# Altium PCB Rectifire_PFC_Solar.PcbDoc
Units mil, origin at the board's own origin, x right, y up, seen from the top; angles counter-clockwise.
Board outline 6000 x 4000 mil, 2 copper layers (Top Layer, Bottom Layer); 93 components, 39 nets, 240 pads, 0 vias.
Unrouted connection lines stored in the file: 187.
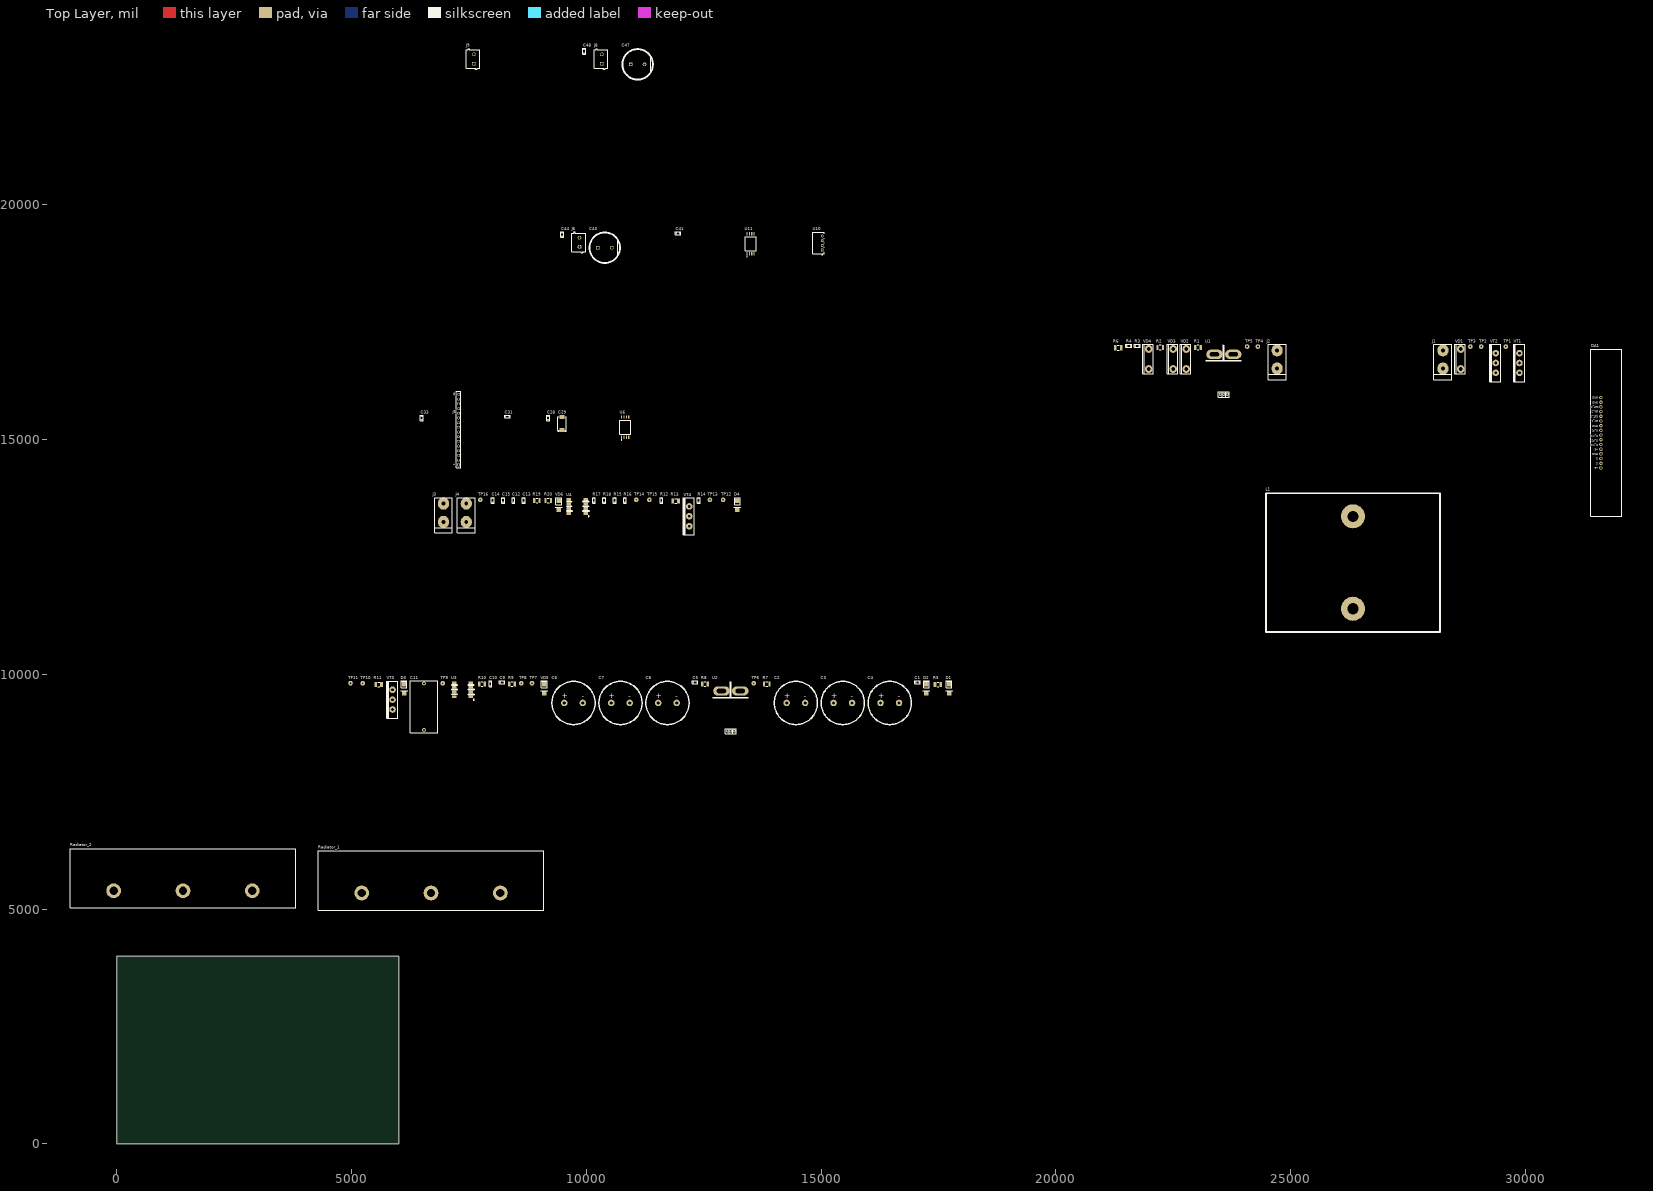
[diagram p0: Top Layer view]
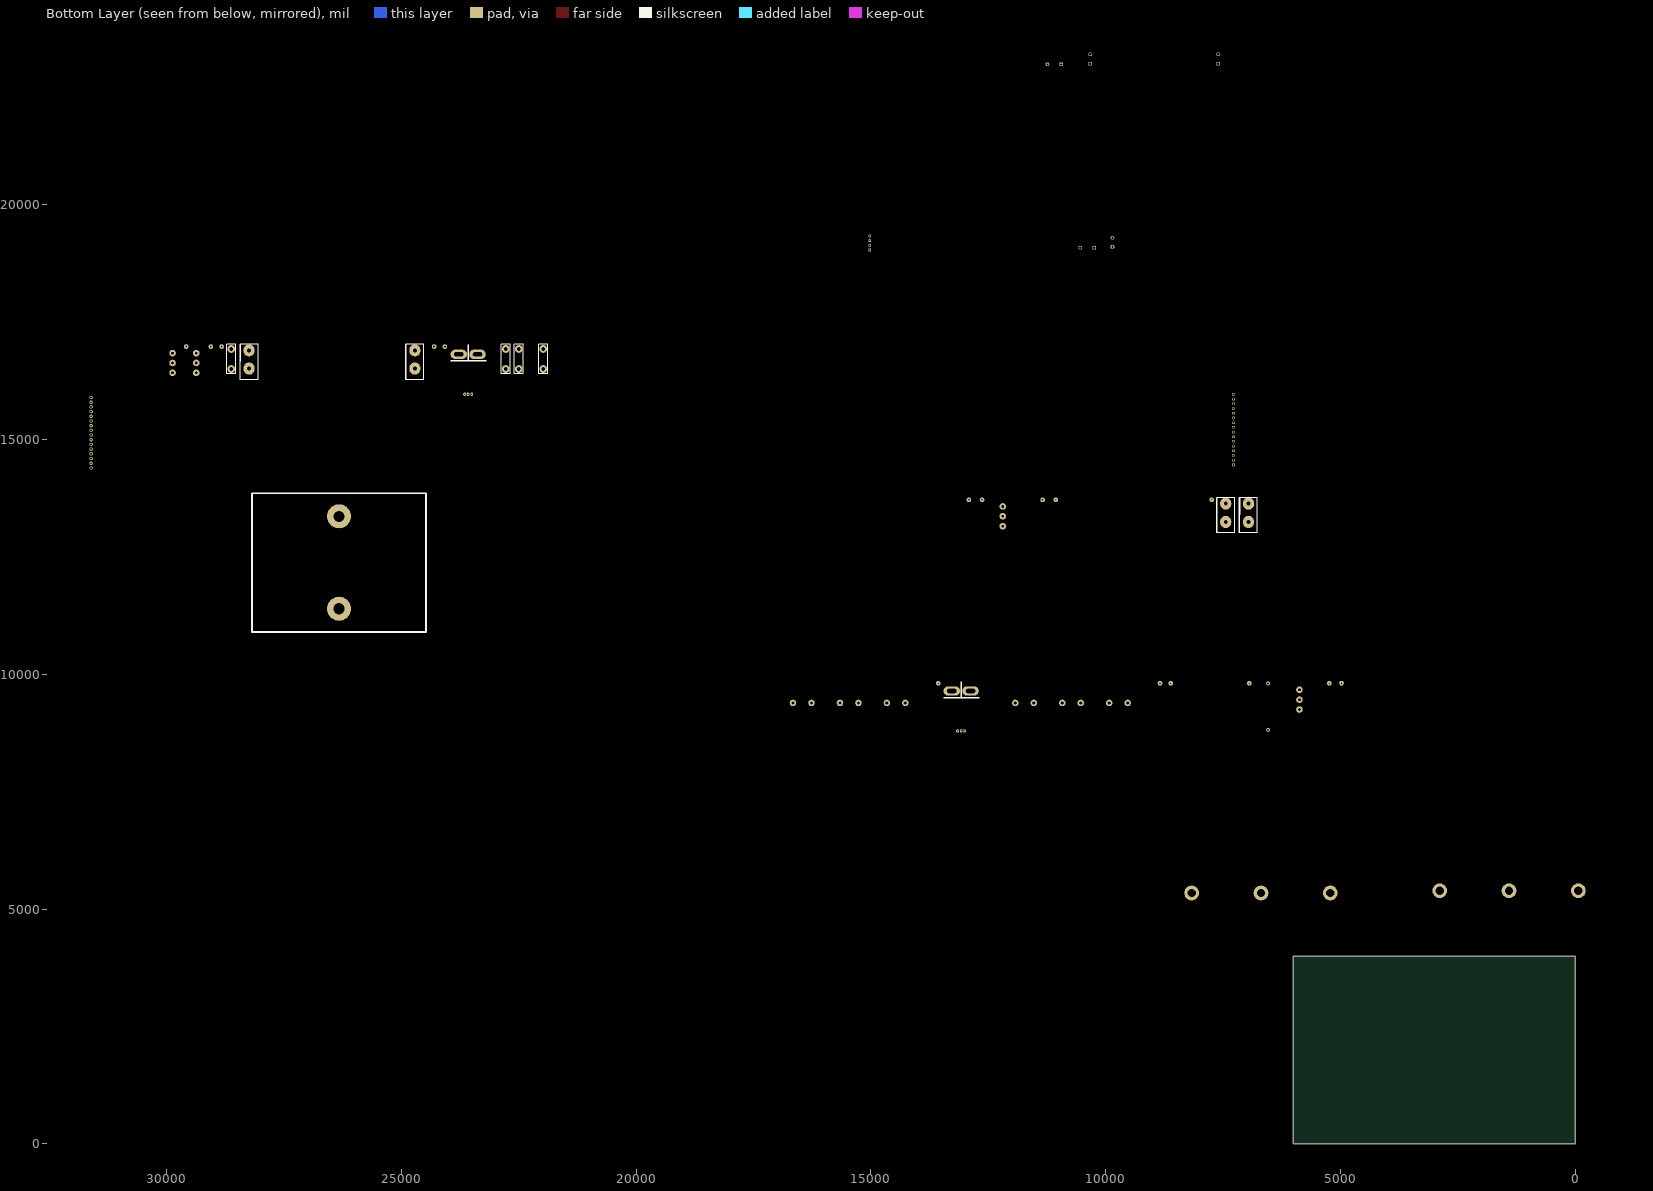
[diagram p1: Bottom Layer view, seen from below]

## Layer stack, top to bottom
Top Solder: solder mask 0.4, Solder Resist, Dk 3.5
Top Layer: signal copper 1.4
Dielectric 1: dielectric 12.6, FR-4, Dk 4.8
Bottom Layer: signal copper 1.4
Bottom Solder: solder mask 0.4, Solder Resist, Dk 3.5

## Board outline
0,0 6000,0 6000,4000 0,4000

## Design rules (kind name [scope] priority, off if disabled: settings)
Clearance [All] p1: gap=10 ignorepadtopadclearanceinfootprint=FALSE except(0: Arc-Hole Track-Hole SMDPad-Hole THPad-Hole Via-Hole Fill-Hole Poly-Hole Region-Hole Text-Hole)
Height [All] p1: minheight=0 maxheight=3937.01 prefheight=3937.01
PolygonConnect [All] p1: connectstyle=Relief reliefconductorwidth=10 reliefentries=4 polygonreliefangle="90 Angle" airgapwidth=10
RoutingVias [All] p1: holewidth=28 width=50 viastyle="Through Hole" minholewidth=28 minwidth=50 maxholewidth=28 maxwidth=50
SolderMaskExpansion [All] p1: expansion=4 istentingtop=FALSE
Width [All] p1: maxlimit=10 minlimit=10 preferedwidth=10
29 further rules are at their usual default settings.

## Components (designator, comment, footprint, x,y, rotation, side; value= is the part's Value field where it differs from the comment)
C1 "1uF" CAP-0805 17050,9830 r0 top
C2 "CAP-POLAR" "CAP 100uF_500V 22x40mm" 14460,9390 r0 top
C3 "CAP-POLAR" "CAP 100uF_500V 22x40mm" 15460,9390 r0 top
C4 "CAP-POLAR" "CAP 100uF_500V 22x40mm" 16460,9390 r0 top
C5 "1uF" CAP-0805 12315,9830 r0 top
C6 "CAP-POLAR" "CAP 100uF_500V 22x40mm" 9725,9390 r0 top
C7 "CAP-POLAR" "CAP 100uF_500V 22x40mm" 10725,9390 r0 top
C8 "CAP-POLAR" "CAP 100uF_500V 22x40mm" 11725,9390 r0 top
C9 "0.1uF" CAP-0805 8205,9830 r0 top
C10 "0.1uF" CAP-0805 7955,9800 r90 top
C11 "CAP-NON-POLAR" CAP_4.7uF_630V 6540,9310 r90 top
C12 "0.33uF" CAP-0805 8445,13705 r90 top
C13 "0.33uF" CAP-0805 8665,13705 r90 top
C14 "0.1uF" CAP-0805 8005,13705 r90 top
C15 "0.1uF" CAP-0805 8225,13705 r90 top
C28 "0.1uF" CAP-0805 9185,15460 r90 top
C29 "47uF_16V" CAP-TAN-D 9480,15340 r90 top
C31 "0.1uF" CAP-0805 8315,15490 r0 top
C33 "0.1uF" CAP-0805 6490,15460 r90 top
C41 "0.1uF" CAP-0805 11950,19395 r0 top
C43 "1000uF_50V" CAPPOL-16x25 10390,19085 r0 top
C44 "0.1uF" CAP-0805 9485,19365 r90 top
C47 "1000uF_50V" CAPPOL-16x25 11090,22990 r0 top
C48 "0.1uF" CAP-0805 9955,23270 r90 top
D1 "US1G" DO-214AA 17725,9610 r90 top
D2 "US1G" DO-214AA 17240,9610 r90 top
D3 "US1G" DO-214AA 6115,9610 r90 top
D4 "US1G" DO-214AA 13215,13515 r90 top
DA1 "BOARD_PFC" BOARD_PFC 31742.8,15143.03 r90 top
J1 "MG_136_HT" Conn_MEIGAN_MG136HT 28240,16610 r0 top
J2 "MG_136_HT" Conn_MEIGAN_MG136HT 24710,16610 r0 top
J3 "MG_136_HT" Conn_MEIGAN_MG136HT 6955,13345 r0 top
J4 "MG_136_HT" Conn_MEIGAN_MG136HT 7440,13345 r0 top
J5 "61301611821" 61301611821 7275,15210 r90 top
J6 "691102710002" 691102710002 9835,19200 r90 top
J8 "691102710002" 691102710002 10310,23105 r90 top
J9 "691102710002" 691102710002 7585,23105 r90 top
L1 "Coil" 30A_10uH 26325,12380 r180 top
R1 "RES_1210" RES_SMD_1210_IPC_B 23025,16965 r0 top
R2 "RES_1210" RES_SMD_1210_IPC_B 22220,16965 r0 top
R3 "4.7K" RES-0805 21730,17000 r0 top
R4 "4.7K" RES-0805 21550,17000 r0 top
R5 "10E" RES_SMD_1210_IPC_A 17485,9785 r0 top
R6 "10E" RES_SMD_1210_IPC_A 21325,16955 r0 top
R7 "RES_1210" RES_SMD_1210_IPC_B 13840,9795 r0 top
R8 "RES_1210" RES_SMD_1210_IPC_B 12525,9795 r0 top
R9 "RES_1210" RES_SMD_1210_IPC_B 8415,9795 r0 top
R10 "RES_1210" RES_SMD_1210_IPC_B 7775,9795 r0 top
R11 "10E" RES_SMD_1210_IPC_A 5575,9785 r0 top
R12 "1K" RES-0805 11600,13705 r90 top
R13 "10E" RES_SMD_1210_IPC_A 11900,13690 r0 top
R14 "1K" RES-0805 12390,13705 r90 top
R15 "4.7K" RES-0805 10600,13705 r90 top
R16 "4.7K" RES-0805 10820,13705 r90 top
R17 "1M" RES-0805 10160,13705 r90 top
R18 "1M" RES-0805 10380,13705 r90 top
R19 "RES_1210" RES_SMD_1210_IPC_B 8945,13700 r0 top
R20 "RES_1210" RES_SMD_1210_IPC_B 9185,13700 r0 top
Radiator_1 "Radiator_122X80_M4" Radiator_122X80_M4 6690,5610 r0 top
Radiator_2 "Radiator_122X80_M4" Radiator_122X80_M4 1407,5657.72 r0 top
TP1 "Test_Point_PCB" Test_Point 29580,16980 r0 top
TP2 "Test_Point_PCB" Test_Point 29055,16980 r0 top
TP3 "Test_Point_PCB" Test_Point 28825,16980 r0 top
TP4 "Test_Point_PCB" Test_Point 24300,16980 r0 top
TP5 "Test_Point_PCB" Test_Point 24070,16980 r0 top
TP6 "Test_Point_PCB" Test_Point 13565,9810 r0 top
TP7 "Test_Point_PCB" Test_Point 8840,9810 r0 top
TP8 "Test_Point_PCB" Test_Point 8610,9810 r0 top
TP9 "Test_Point_PCB" Test_Point 6940,9810 r0 top
TP10 "Test_Point_PCB" Test_Point 5235,9810 r90 top
TP11 "Test_Point_PCB" Test_Point 4975,9810 r90 top
TP12 "Test_Point_PCB" Test_Point 12910,13715 r90 top
TP13 "Test_Point_PCB" Test_Point 12630,13715 r90 top
TP14 "Test_Point_PCB" Test_Point 11060,13715 r90 top
TP15 "Test_Point_PCB" Test_Point 11340,13715 r90 top
TP16 "Test_Point_PCB" Test_Point 7740,13715 r90 top
U1 "ACS758" ACS758-100 23575,16350 r0 top
U2 "ACS758" ACS758-100 13075,9180 r0 top
U3 "HCPL-3120" HCPL-3120 7360,9670 r0 top
U4 "HCPL-3120" HCPL-3120 9805,13575 r0 top
U6 "AMC1311" FP-DWV0008A-MFG 10825,15265 r90 top
U10 "B0505S-1W" B0505S-1W 14940,19185 r90 top
U11 "AMC1311" FP-DWV0008A-MFG 13495,19170 r90 top
VD1 "MUR4060" TO-247-2 28620,16715 r90 top
VD2 "MUR4060" TO-247-2 22775,16715 r90 top
VD3 "MUR4060" TO-247-2 22495,16715 r90 top
VD4 "MUR4060" TO-247-2 21975,16715 r90 top
VD5 "Suppressor" DO-214AA 9100,9610 r90 top
VD6 "Suppressor" DO-214AA 9410,13515 r90 top
VT1 "IGBT 60N120T" TO-264-3 29845,16630 r90 top
VT2 "IGBT 60N120T" TO-264-3 29340,16630 r90 top
VT3 "IGBT 60N120T" TO-264-3 5845,9460 r90 top
VT4 "IGBT 60N120T" TO-264-3 12165,13365 r90 top

## Footprints (in the part's own frame and the unit in brackets; to place one, negate y for a bottom-side part, rotate by r counter-clockwise, add the part's x,y. Pads: shape width x height; smd on the part's side, far side on the other; paste and mask are expansions set on the pad)
30A_10uH [mm]
  round 13 hole 6: 1(0,25) 2(0,-25)
  round 1.524 hole 5: 3(-28.5,25) 3(-28.5,-25) 3(28.5,25) 3(28.5,-25)
  silkscreen extent -47,-37.5 47,37.5, body extent -46.95,-37.33 46.95,37.43, height 99.93
61301611821 [mm] "Socket Header, Pitch 2.54 mm, THT, Vertical, single row, 16p"
  rrect50% 1.52x1.52 hole 1.02: 1(-19.05,0)
  round 1.52 hole 1.02: 2(-16.51,0) 3(-13.97,0) 4(-11.43,0) 5(-8.89,0) 6(-6.35,0) 7(-3.81,0) 8(-1.27,0) 9(1.27,0) 10(3.81,0) 11(6.35,0) 12(8.89,0) 13(11.43,0) 14(13.97,0) 15(16.51,0) 16(19.05,0)
  silkscreen extent -20.7,-1.35 20.7,1.35, body extent -20.57,-1.25 20.57,1.25, height 8.55
691102710002 [mm] "5,00mm - modular - blue - Horizontal entry with pressure clamp - 9,9 mm height - 02p"
  rrect50% 1.95x1.95 hole 1.3: 1(-2.5,-0.45)
  round 1.95 hole 1.3: 2(2.5,-0.45)
  silkscreen extent -5.6,-3.75 5.6,3.75, body extent -5.6,-3.75 5.6,3.75, height 9.96
ACS758-100 [mil]
  oval 60x70 hole 30: 1(-75,-385) 2(0,-385) 3(75,-385)
  oval 350x200 hole 90 slot 195 at 0 deg: 4(200,465) 5(-200,465)
  silkscreen extent -385,-449 370,665, body extent -276,-404 276,492, height 280
B0505S-1W [mm]
  rect 1.55x1.55 hole 1 paste-2539.97 mask+0: 1(-3.81,-2.1)
  round 1.55 hole 1 paste-2539.97 mask+0: 2(-1.27,-2.1) 3(1.27,-2.1) 4(3.81,-2.1)
  silkscreen extent -6.52,-3.13 5.92,3.13, body extent -6.02,-3.22 6.02,3.22, height 0.25
BOARD_PFC [mm]
  round 1.8 hole 1: 1(-19,3.5) 2(-16.46,3.5) 3(-13.92,3.5) 4(-11.38,3.5) 5(-8.84,3.5) 6(-6.3,3.5) 7(-3.76,3.5) 8(-1.22,3.5) 9(1.32,3.5) 10(3.86,3.5) 11(6.4,3.5) 12(8.94,3.5) 13(11.48,3.5) 14(14.02,3.5) 15(16.56,3.5) 16(19.1,3.5)
  silkscreen extent -45.1,-7.8 45.3,8.9, body extent -44.98,-7.85 45.13,8.9, height 75.28
"CAP 100uF_500V 22x40mm" [mm]
  round 3.5 hole 1.8: 1(-5,0) 2(5,0)
  silkscreen extent -11.68,-11.68 11.68,11.68, body extent -11,-11 11.1,11.1, height 31.53
CAP-0805 [mm]
  rect 0.8x1.25 smd mask+0.015: 1(-1,0) 2(1,0)
  silkscreen extent -1.52,-0.76 1.52,0.76, body extent -1,-0.62 1,0.63, height 0.8
CAP-TAN-D [mm]
  rect 2.2x2.5 smd: 1(-3.45,0) 2(3.45,0)
  silkscreen extent -4.5,-2.4 3.65,2.4, body extent -3.8,-2.3 3.8,2.3, height 4
CAP_4.7uF_630V [mil]
  round 80 hole 40: 1(-495,0) 2(495,0)
  silkscreen extent -550,-293 550,293, body extent -527,-289 527,289, height 1242
CAPPOL-16x25 [mm]
  rect 2x2 hole 1.2 paste-2539.97 mask+0: 1(-3.75,0)
  round 2 hole 1.2 paste-2539.97 mask+0: 2(3.75,0)
  silkscreen extent -8.25,-8.25 8.25,8.25, body extent -8.35,-8.35 8.35,8.35, height 0.25
Conn_MEIGAN_MG136HT [mm]
  oval 6x6.6 hole 2.159: 1(0,-2.54) 1(0,7.366)
  silkscreen extent -4.83,-8.51 4.83,10.67, body extent -6,-8.55 5,9.95, height 30.95
DO-214AA [mm]
  rect 2.4x2.4 smd: 1(-0.381,0) 2(4.5,0)
  silkscreen extent 1.02,-1.91 6.35,1.91, body extent -0.75,-1.97 4.85,1.97, height 2.65
FP-DWV0008A-MFG [mm]
  rect 1.8x0.6 smd paste+0 mask+0: 1(-5.45,1.905) 2(-5.45,0.635) 3(-5.45,-0.635) 4(-5.45,-1.905) 5(5.45,-1.905) 6(5.45,-0.635) 7(5.45,0.635) 8(5.45,1.905)
  silkscreen extent -7.1,-2.98 3.8,2.98, body extent -6.45,-3.22 6.45,3.22, height 0.25
HCPL-3120 [mil]
  rect 94.49x60 smd mask+4: 1(180,-150) 2(180,-45) 3(180,55) 4(180,150) 5(-180,150) 6(-180,55) 7(-180,-45) 8(-180,-150)
  silkscreen extent -225,-220 250,105, body extent -191,-191 191,191, height 181
Radiator_122X80_M4 [mm]
  round 8 hole 4.5: 1(-37.5,-6.8) 1(0,-6.8) 1(37.5,-6.8)
  silkscreen extent -61,-16 61.1,16, body extent -61,-16 61,16, height 80.27
RES-0805 [mm]
  rect 0.8x1.25 smd mask+0.015: 1(-1,0) 2(1,0)
  silkscreen extent -1.52,-0.76 1.52,0.76, body extent -1,-0.62 1,0.63, height 0.6
RES_SMD_1210_IPC_A [mil]
  rect 55.31x110.48 smd paste+0 mask+0: 1(-61.05,0) 2(61.05,0)
  silkscreen extent -19,-49 19,49, body extent -108,-75 108,75, height 10
RES_SMD_1210_IPC_B [mil]
  rect 47.44x106.54 smd paste+0 mask+0: 1(-57.11,0) 2(57.11,0)
  silkscreen extent -19,-49 19,49, body extent -91,-63 91,63, height 10
Test_Point [mm]
  round 2.5 hole 0.95: 1(0,0)
TO-247-2 [mil]
  round 165.35 hole 80: 1(-215,0) 3(215,0)
  silkscreen extent -312,-98 312,125, body extent -311,-91 311,107, height 1472
TO-264-3 [mm]
  round 3.55 hole 1.45: 1(-5.334,-0.635) 2(0,-0.635) 3(5.334,-0.635)
  silkscreen extent -10.03,-3.43 10.03,2.54, body extent -10,-3.5 10,1.5, height 38.4

## Part data
C1 C5 C9 C10 C12 C13 C14 C15 C28 C31 C33 C41 C44 C48: library part CAP-NON-POLAR
C29 C43 C47: library part CAP-POLAR
J1 J2 J3 J4: library part Connector_MEIGAN_MG136HT
J5: "WR-PHD Socket Header, THT, Vertical, pitch 2.54mm, 1 Row, 16P", Contact Resistance=20mΩ, Manufacturer="Wurth Elektronik", Operating Temperature Max=125°C, Operating Temperature Min=-40°C, Rated Current=3A, Withstanding Voltage=500V, Working Voltage=250V, Category="Board-to-Board Connectors", ComponentLink1Description="Website Link", ComponentLink1URL=https://www.we-online.com/redexpert/article/61301611821?ad, ComponentLink2Description="Datasheet Link", ComponentLink2URL=https://www.we-online.com/redexpert/spec/61301611821?ad, Gender="Socket Header", Manufacturer Part Number=61301611821, Match Code=WR-PHD, Mount="Through Hole", Number of Pins=16, Number of Rows=1, Orientation=Vertical, Packaging=Tray, Pitch=2.54mm
J6 J8 J9: "WR-TBL Series 102 Horizontal Entry Modular, THT, pitch 5mm, 2p", Manufacturer="Wurth Elektronik", Operating Temperature Max=105°C, Operating Temperature Min=-40°C, Rated Current=15A, Working Voltage=250V, Application="Pressure Clamp", Category="Terminal Blocks", ComponentLink1Description="Website Link", ComponentLink1URL=https://www.we-online.com/redexpert/article/691102710002?ad, ComponentLink2Description="Datasheet Link", ComponentLink2URL=https://www.we-online.com/redexpert/spec/691102710002?ad, Manufacturer Part Number=691102710002, Match Code=WR-TBL, Modularity=Yes, Mount="Through Hole", Number of Pins=2, Number of Rows=1, Orientation=Horizontal, Packaging=Box, Pitch=5mm
R3 R4 R12 R14 R15 R16 R17 R18: library part RES-CONST
R5 R6 R11 R13: library part RES_1210
TP1 TP2 TP3 TP4 TP5 TP6 TP7 TP8 TP9 TP10 TP11 TP12 TP13 TP14 TP15 TP16: library part TP_PCB?, "Test_Point"
VT1 VT2 VT3 VT4: "IGBT 60N120T TO-264-3"

## Nets (pads, with @x,y where several pads share a name; then routed paths per layer and width w, separated by ;. In a path a pad name is that pad's centre, name@x,y a point inside that pad or via, vN(x,y) a via of type N, cw(c..) or ccw(c..) an arc to the next point about the centre after c; other vN are vias at no path point)
+5: C1.2 C5.2 C28.1 C29.1 DA1.1 DA1.5 J5.1 J5.5 J9.2 U1.1 U2.1 U6.8 U10.2 U11.8
+18_1: C43.1 C44.2 J6.2 U4.8
+18_2: C47.1 C48.2 J8.2 U3.8
GND: C6.2 C7.2 C8.2 C11.1 C12.1 C13.1 C14.1 C15.1 C31.1 C33.2 C41.1 C43.2 C44.1 J3.1 J4.1 J6.1 R15.1 R16.1 R17.1 R18.1 R19.1 R20.1 TP16.1 U4.5 U6.3 U6.4 U10.3 U11.3 U11.4 VD2.3 VD4.3 VD6.1 VT3.3 VT4.3
GND_II: C47.2 C48.1 J8.1 L1.1 R3.1 R4.1 TP2.1 U3.5 VD2.1 VD4.1 VD5.1 VT1.3 VT2.3
GND_III: C1.1 C5.1 C9.1 C10.1 C28.2 C29.2 DA1.4 DA1.10 DA1.15 DA1.16 J5.4 J5.10 J5.15 J5.16 J9.1 U1.2 U2.2 U6.5 U10.1 U11.5
NetC2_1: C2.1 C3.1 C4.1 TP1.1 U1.4 VD1.1 VD3.1
NetC2_2: C2.2 C6.1
NetC3_2: C3.2 C7.1
NetC4_2: C4.2 C8.1
NetC9_2: C9.2 DA1.2 J5.2 TP7.1 U1.3
NetC10_2: C10.2 DA1.3 J5.3 TP8.1 U2.3
NetC11_2: C11.2 J2.1 U2.4
NetC12_2: C12.2 R12.2 R17.2 TP12.1 U11.2
NetC13_2: C13.2 R14.2 R18.2 TP13.1 U6.2
NetC14_2: C14.2 R10.1 R12.1 R19.2 TP14.1
NetC15_2: C15.2 R9.1 R14.1 R20.2 TP15.1
NetC31_2: C31.2 C33.1 C41.2 U6.1 U10.4 U11.1
NetD1_1: D1.1 D2.1 R5.1 R6.1 TP6.1 U3.6 U3.7 VD5.2
NetD1_2: D1.2 R4.2 R6.2 TP4.1 VT1.1
NetD2_2: D2.2 R3.2 R5.2 TP5.1 VT2.1
NetD3_1: D3.1 D4.1 R11.2 R13.2 TP11.1 U4.6 U4.7 VD6.2
NetD3_2: D3.2 R11.1 R16.2 TP9.1 VT3.1
NetD4_2: D4.2 R13.1 R15.2 TP10.1 VT4.1
NetDA1_6: DA1.6 J5.6 U11.6
NetDA1_7: DA1.7 J5.7 U11.7
NetDA1_8: DA1.8 J5.8 U6.6
NetDA1_9: DA1.9 J5.9 U6.7
NetDA1_11: DA1.11 J5.11 U3.2
NetDA1_12: DA1.12 J5.12 U3.3
NetDA1_13: DA1.13 J5.13 U4.2
NetDA1_14: DA1.14 J5.14 U4.3
NetJ1_1: J1.1 R1.2 U1.5
NetL1_2: L1.2 TP3.1 VD1.3 VD3.3 VT3.2 VT4.2
NetR1_1: R1.1 R7.2
NetR2_1: R2.1 R8.2
NetR2_2: R2.2 U2.5 VT1.2 VT2.2
NetR7_1: R7.1 R9.2
NetR8_1: R8.1 R10.2
pads on no net: L1.3 Radiator_1.1 Radiator_2.1 U3.1 U3.4 U4.1 U4.4

## Text inside footprints (layer, text, board x,y; h text height)
C2: Top Overlay "-" at 14630,9470.02 h120; Top Overlay "+" at 14210,9490.01 h120
C3: Top Overlay "-" at 15630,9470.02 h120; Top Overlay "+" at 15210,9490.01 h120
C4: Top Overlay "-" at 16630,9470.02 h120; Top Overlay "+" at 16210,9490.01 h120
C6: Top Overlay "-" at 9895,9470.02 h120; Top Overlay "+" at 9475,9490.01 h120
C7: Top Overlay "-" at 10895,9470.02 h120; Top Overlay "+" at 10475,9490.01 h120
C8: Top Overlay "-" at 11895,9470.02 h120; Top Overlay "+" at 11475,9490.01 h120
DA1: Top Overlay "CAT_2" at 31558.03,15709.54 h31.5 r180; Top Overlay "AN_2" at 31547.15,15612.02 h31.5 r180; Top Overlay "AN_1" at 31547.15,15409.26 h31.5 r180; Top Overlay "CAT_1" at 31544.25,15506.78 h31.5 r180; Top Overlay "O_N1" at 31547.15,15093.32 h31.5 r180; Top Overlay "O_P1" at 31547.15,15209.08 h31.5 r180; Top Overlay "O_P2" at 31547.15,14997.55 h31.5 r180; Top Overlay "O_N2" at 31547.15,14900.03 h31.5 r180; Top Overlay "I1" at 31547.15,14609.01 h31.5 r180; Top Overlay "GND" at 31547.15,15306.85 h31.5 r180; Top Overlay "GND" at 31547.15,15907.8 h31.5 r180; Top Overlay "GND" at 31547.15,15802.48 h31.5 r180; Top Overlay "GND" at 31547.15,14704.49 h31.5 r180; Top Overlay "+5" at 31547.15,14803.94 h31.5 r180; Top Overlay "+5" at 31547.15,14408.27 h31.5 r180; Top Overlay "I2" at 31547.15,14505.67 h31.5 r180
J5: Top Overlay "16" at 7208.07,15935.2 h40 r90; Top Overlay "1" at 7208.07,14452.52 h40 r90